# Allegro board buddy_lay_rev1.brd (continued)
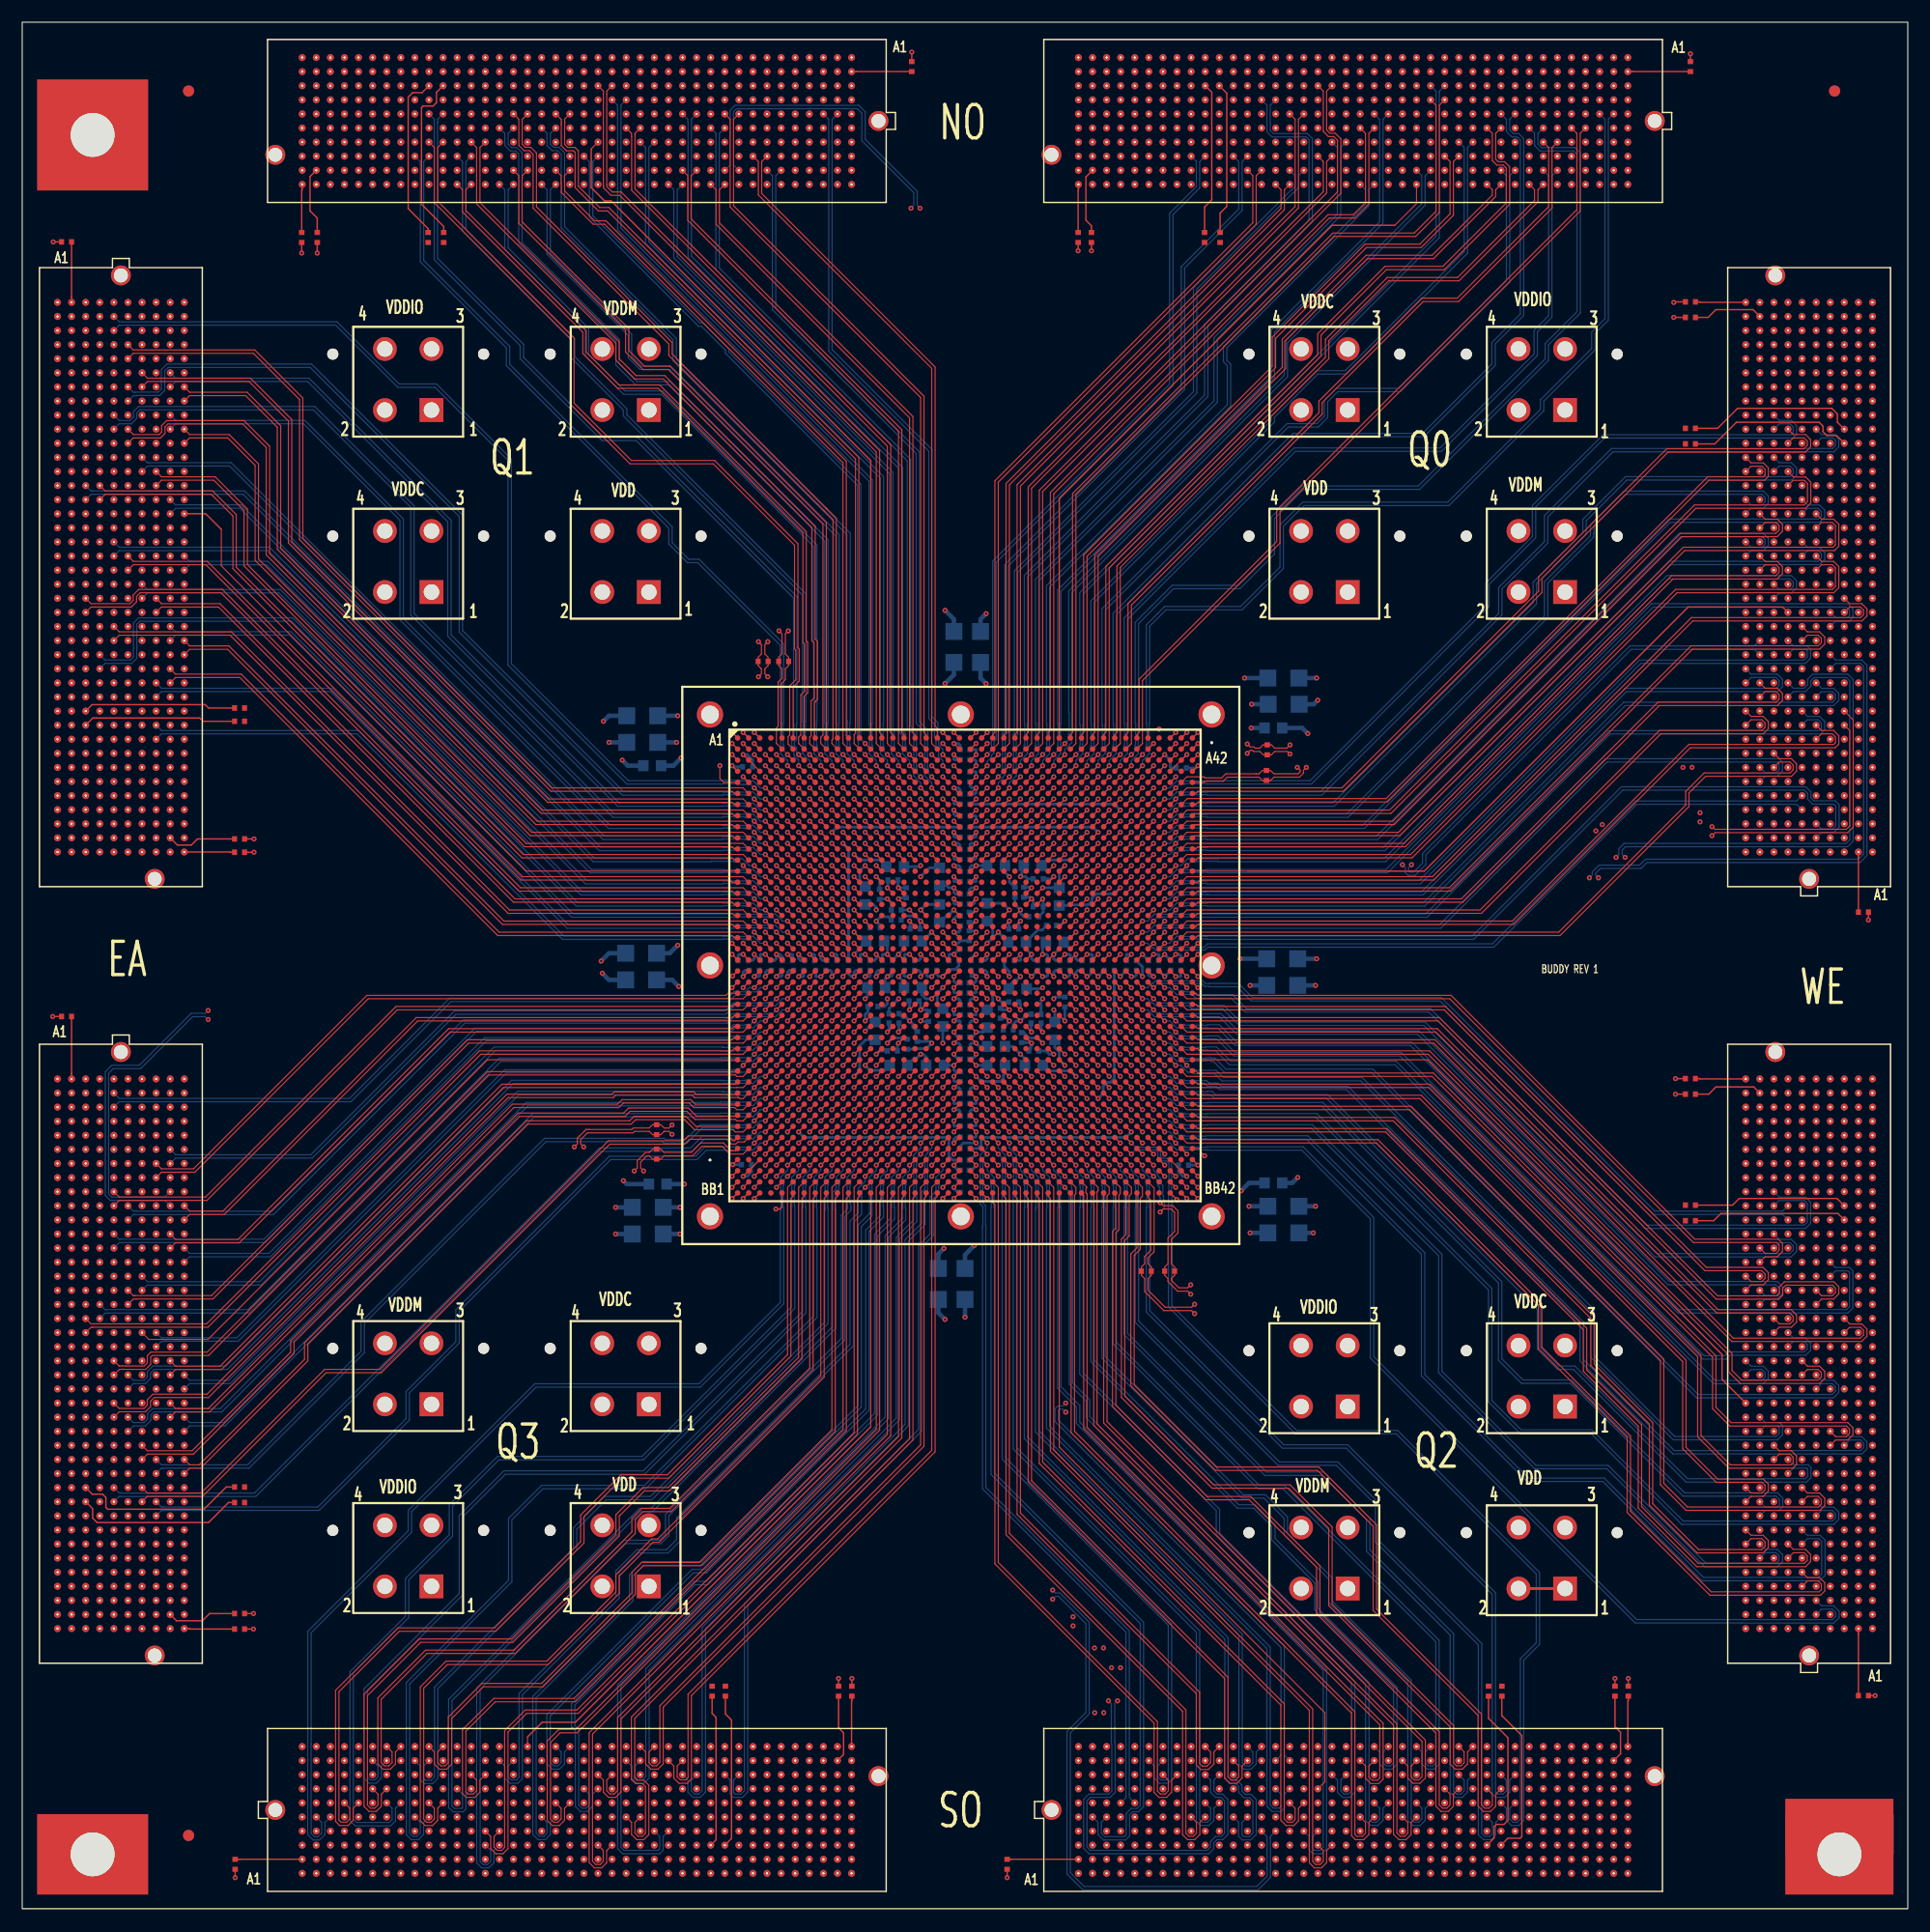
[diagram p0: board, top side]
## Design rules (mm) (continued)
net group DP339: nets EA_HS_M2C_N0 EA_HS_M2C_P0
net group DP340: nets EA_HS_M2C_N1 EA_HS_M2C_P1
net group DP341: nets EA_HS_M2C_N2 EA_HS_M2C_P2
net group DP342: nets EA_HS_M2C_N3 EA_HS_M2C_P3
net group DP343: nets EA_HS_M2C_N4 EA_HS_M2C_P4
net group DP344: nets EA_HS_M2C_N5 EA_HS_M2C_P5
net group DP345: nets EA_HS_M2C_N6 EA_HS_M2C_P6
net group DP346: nets EA_HS_M2C_N7 EA_HS_M2C_P7
net group DP347: nets EA_HS_M2C_N8 EA_HS_M2C_P8
net group DP348: nets EA_HS_M2C_N9 EA_HS_M2C_P9
net group DP349: nets EA_N0 EA_P0
net group DP350: nets EA_N1 EA_P1
net group DP351: nets EA_N2 EA_P2
net group DP352: nets EA_N3 EA_P3
net group DP353: nets EA_N4 EA_P4
net group DP354: nets EA_N5 EA_P5
net group DP355: nets EA_N6 EA_P6
net group DP356: nets EA_N7 EA_P7
net group DP357: nets EA_N8 EA_P8
net group DP358: nets EA_N9 EA_P9
net group DP359: nets EA_N10 EA_P10
net group DP360: nets EA_N11 EA_P11
net group DP361: nets EA_N12 EA_P12
net group DP362: nets EA_N13 EA_P13
net group DP363: nets EA_N14 EA_P14
net group DP364: nets EA_N15 EA_P15
net group DP365: nets EA_N16 EA_P16
net group DP366: nets EA_N17 EA_P17
net group DP367: nets EA_N18 EA_P18
net group DP368: nets EA_N19 EA_P19
net group DP369: nets EA_N20 EA_P20
net group DP370: nets EA_N21 EA_P21
net group DP371: nets EA_N22 EA_P22
net group DP372: nets EA_N23 EA_P23
net group DP373: nets EA_N24 EA_P24
net group DP374: nets EA_N25 EA_P25
net group DP375: nets EA_N26 EA_P26
net group DP376: nets EA_N27 EA_P27
net group DP377: nets EA_N28 EA_P28
net group DP379: nets EA_N30 EA_P30
net group DP380: nets EA_N31 EA_P31
net group DP381: nets EA_N32 EA_P32
net group DP382: nets EA_N33 EA_P33
net group DP383: nets EA_N34 EA_P34
net group DP384: nets EA_N35 EA_P35
net group DP385: nets EA_N36 EA_P36
net group DP386: nets EA_N37 EA_P37
net group DP387: nets EA_N38 EA_P38
net group DP388: nets EA_N39 EA_P39
net group DP389: nets EA_N40 EA_P40
net group DP390: nets EA_N41 EA_P41
net group DP391: nets EA_N42 EA_P42
net group DP392: nets EA_N43 EA_P43
net group DP393: nets EA_N44 EA_P44
net group DP394: nets EA_N45 EA_P45
net group DP395: nets EA_N46 EA_P46
net group DP396: nets EA_N47 EA_P47
net group DP397: nets EA_N48 EA_P48
net group DP398: nets EA_N49 EA_P49
net group DP399: nets EA_N50 EA_P50
net group DP400: nets EA_N51 EA_P51
net group DP401: nets EA_N52 EA_P52
net group DP402: nets EA_N53 EA_P53
net group DP403: nets EA_N54 EA_P54
net group DP404: nets EA_N55 EA_P55
net group DP405: nets EA_N56 EA_P56
net group DP406: nets EA_N57 EA_P57
net group DP407: nets EA_N58 EA_P58
net group DP408: nets EA_N59 EA_P59
net group DP409: nets EA_N60 EA_P60
net group DP410: nets EA_N61 EA_P61
net group DP411: nets EA_N62 EA_P62
net group DP412: nets EA_N63 EA_P63
net group DP413: nets EA_N64 EA_P64
net group DP414: nets EA_N65 EA_P65
net group DP415: nets EA_N66 EA_P66
net group DP416: nets EA_N67 EA_P67
net group DP417: nets EA_N68 EA_P68
net group DP418: nets EA_N69 EA_P69
net group DP419: nets EA_N70 EA_P70
net group DP420: nets EA_N71 EA_P71
net group DP421: nets EA_N72 EA_P72
net group DP422: nets EA_N73 EA_P73
net group DP423: nets EA_N74 EA_P74
net group DP424: nets EA_N75 EA_P75
net group DP425: nets EA_N76 EA_P76
net group DP426: nets EA_N77 EA_P77
net group DP427: nets EA_N78 EA_P78
net group DP428: nets EA_N79 EA_P79
net group DP429: nets EA_N80 EA_P80
net group DP430: nets EA_N81 EA_P81
net group DP431: nets EA_N82 EA_P82
net group DP432: nets EA_N83 EA_P83
net group DP433: nets EA_N84 EA_P84
net group DP434: nets EA_N85 EA_P85
net group DP435: nets EA_N86 EA_P86
net group DP436: nets EA_N87 EA_P87
net group DP437: nets EA_N88 EA_P88
net group DP438: nets EA_N89 EA_P89
net group DP439: nets EA_N90 EA_P90
net group DP440: nets EA_N91 EA_P91
net group DP441: nets EA_N92 EA_P92
net group DP442: nets EA_N93 EA_P93
net group DP443: nets EA_N94 EA_P94
net group DP444: nets EA_N95 EA_P95
net group DP445: nets EA_N96 EA_P96
net group DP446: nets EA_N97 EA_P97
net group DP448: nets EA_N99 EA_P99
net group DP449: nets EA_N100 EA_P100
net group DP450: nets EA_N101 EA_P101
net group DP451: nets EA_N102 EA_P102
net group DP452: nets EA_N103 EA_P103
net group DP453: nets EA_N104 EA_P104
net group DP454: nets EA_N105 EA_P105
net group DP455: nets EA_N106 EA_P106
net group DP456: nets EA_N107 EA_P107
net group DP457: nets EA_N108 EA_P108
net group DP458: nets EA_N109 EA_P109
net group DP459: nets EA_N110 EA_P110
net group DP460: nets EA_N111 EA_P111
net group DP461: nets EA_N112 EA_P112
net group DP462: nets EA_N113 EA_P113
net group DP463: nets EA_N114 EA_P114
net group DP464: nets EA_N115 EA_P115
net group DP465: nets EA_N116 EA_P116
net group DP466: nets EA_N117 EA_P117
net group DP467: nets EA_N118 EA_P118
net group DP468: nets EA_N119 EA_P119
net group DP469: nets EA_N120 EA_P120
net group DP470: nets EA_N121 EA_P121
net group DP471: nets EA_N122 EA_P122
net group DP472: nets EA_N123 EA_P123
net group DP473: nets EA_N124 EA_P124
net group DP474: nets EA_N125 EA_P125
net group DP475: nets EA_N126 EA_P126
net group DP476: nets EA_N127 EA_P127
net group DP477: nets HS_CLK_N0_EA HS_CLK_P0_EA
net group DP478: nets HS_CLK_N0_EA1 HS_CLK_P0_EA1
net group DP479: nets HS_CLK_N0_EA2 HS_CLK_P0_EA2
net group DP480: nets HS_CLK_N0_EA3 HS_CLK_P0_EA3
net group DP481: nets HS_CLK_N0_EA4 HS_CLK_P0_EA4
net group DP482: nets HS_CLK_N0_EA5 HS_CLK_P0_EA5
net group DP483: nets HS_CLK_N0_EA6 HS_CLK_P0_EA6
net group DP484: nets HS_CLK_N0_EA7 HS_CLK_P0_EA7
net group DP485: nets HS_CLK_N1_EA HS_CLK_P1_EA
net group DP486: nets HS_CLK_N1_EA1 HS_CLK_P1_EA1
net group DP487: nets HS_CLK_N1_EA2 HS_CLK_P1_EA2
net group DP488: nets HS_CLK_N1_EA3 HS_CLK_P1_EA3
net group DP489: nets HS_CLK_N1_EA4 HS_CLK_P1_EA4
net group DP490: nets HS_CLK_N1_EA5 HS_CLK_P1_EA5
net group DP491: nets HS_CLK_N1_EA6 HS_CLK_P1_EA6
net group DP492: nets HS_CLK_N1_EA7 HS_CLK_P1_EA7
net group DP493: nets HS_C2M_N0_EA1 HS_C2M_P0_EA1
net group DP494: nets HS_C2M_N0_EA3 HS_C2M_P0_EA3
net group DP495: nets HS_C2M_N0_EA4 HS_C2M_P0_EA4
net group DP496: nets HS_C2M_N0_EA6 HS_C2M_P0_EA6
net group DP497: nets HS_C2M_N1_EA1 HS_C2M_P1_EA1
net group DP498: nets HS_C2M_N1_EA3 HS_C2M_P1_EA3
net group DP499: nets HS_C2M_N1_EA4 HS_C2M_P1_EA4
net group DP500: nets HS_C2M_N1_EA6 HS_C2M_P1_EA6
net group DP501: nets HS_C2M_N2_EA1 HS_C2M_P2_EA1
net group DP502: nets HS_C2M_N2_EA3 HS_C2M_P2_EA3
net group DP503: nets HS_C2M_N2_EA4 HS_C2M_P2_EA4
net group DP504: nets HS_C2M_N2_EA6 HS_C2M_P2_EA6
net group DP505: nets HS_C2M_N3_EA1 HS_C2M_P3_EA1
net group DP506: nets HS_C2M_N3_EA3 HS_C2M_P3_EA3
net group DP507: nets HS_C2M_N3_EA4 HS_C2M_P3_EA4
net group DP508: nets HS_C2M_N3_EA6 HS_C2M_P3_EA6
net group DP509: nets HS_C2M_N4_EA1 HS_C2M_P4_EA1
net group DP510: nets HS_C2M_N4_EA3 HS_C2M_P4_EA3
net group DP511: nets HS_C2M_N4_EA4 HS_C2M_P4_EA4
net group DP512: nets HS_C2M_N4_EA6 HS_C2M_P4_EA6
net group DP513: nets HS_C2M_N5_EA1 HS_C2M_P5_EA1
net group DP514: nets HS_C2M_N5_EA3 HS_C2M_P5_EA3
net group DP515: nets HS_C2M_N5_EA4 HS_C2M_P5_EA4
net group DP516: nets HS_C2M_N5_EA6 HS_C2M_P5_EA6
net group DP517: nets HS_C2M_N6_EA1 HS_C2M_P6_EA1
net group DP518: nets HS_C2M_N6_EA3 HS_C2M_P6_EA3
net group DP519: nets HS_C2M_N6_EA4 HS_C2M_P6_EA4
net group DP520: nets HS_C2M_N6_EA6 HS_C2M_P6_EA6
net group DP521: nets HS_C2M_N7_EA1 HS_C2M_P7_EA1
net group DP522: nets HS_C2M_N7_EA3 HS_C2M_P7_EA3
net group DP523: nets HS_C2M_N7_EA4 HS_C2M_P7_EA4
net group DP524: nets HS_C2M_N7_EA6 HS_C2M_P7_EA6
net group DP525: nets HS_C2M_N8_EA1 HS_C2M_P8_EA1
net group DP526: nets HS_C2M_N8_EA3 HS_C2M_P8_EA3
net group DP527: nets HS_C2M_N8_EA4 HS_C2M_P8_EA4
net group DP528: nets HS_C2M_N8_EA6 HS_C2M_P8_EA6
net group DP529: nets HS_C2M_N9_EA1 HS_C2M_P9_EA1
net group DP530: nets HS_C2M_N9_EA3 HS_C2M_P9_EA3
net group DP531: nets HS_C2M_N9_EA4 HS_C2M_P9_EA4
net group DP532: nets HS_C2M_N9_EA6 HS_C2M_P9_EA6
net group DP533: nets HS_M2C_N0_EA1 HS_M2C_P0_EA1
net group DP534: nets HS_M2C_N0_EA3 HS_M2C_P0_EA3
net group DP535: nets HS_M2C_N0_EA4 HS_M2C_P0_EA4
net group DP536: nets HS_M2C_N0_EA6 HS_M2C_P0_EA6
net group DP537: nets HS_M2C_N1_EA1 HS_M2C_P1_EA1
net group DP538: nets HS_M2C_N1_EA3 HS_M2C_P1_EA3
net group DP539: nets HS_M2C_N1_EA4 HS_M2C_P1_EA4
net group DP540: nets HS_M2C_N1_EA6 HS_M2C_P1_EA6
net group DP541: nets HS_M2C_N2_EA1 HS_M2C_P2_EA1
net group DP542: nets HS_M2C_N2_EA3 HS_M2C_P2_EA3
net group DP543: nets HS_M2C_N2_EA4 HS_M2C_P2_EA4
net group DP544: nets HS_M2C_N2_EA6 HS_M2C_P2_EA6
net group DP545: nets HS_M2C_N3_EA1 HS_M2C_P3_EA1
net group DP546: nets HS_M2C_N3_EA3 HS_M2C_P3_EA3
net group DP547: nets HS_M2C_N3_EA4 HS_M2C_P3_EA4
net group DP548: nets HS_M2C_N3_EA6 HS_M2C_P3_EA6
net group DP549: nets HS_M2C_N4_EA1 HS_M2C_P4_EA1
net group DP550: nets HS_M2C_N4_EA3 HS_M2C_P4_EA3
net group DP551: nets HS_M2C_N4_EA4 HS_M2C_P4_EA4
net group DP552: nets HS_M2C_N4_EA6 HS_M2C_P4_EA6
net group DP553: nets HS_M2C_N5_EA1 HS_M2C_P5_EA1
net group DP554: nets HS_M2C_N5_EA3 HS_M2C_P5_EA3
net group DP555: nets HS_M2C_N5_EA4 HS_M2C_P5_EA4
net group DP556: nets HS_M2C_N5_EA6 HS_M2C_P5_EA6
net group DP557: nets HS_M2C_N6_EA1 HS_M2C_P6_EA1
net group DP558: nets HS_M2C_N6_EA3 HS_M2C_P6_EA3
net group DP559: nets HS_M2C_N6_EA4 HS_M2C_P6_EA4
net group DP560: nets HS_M2C_N6_EA6 HS_M2C_P6_EA6
net group DP561: nets HS_M2C_N7_EA1 HS_M2C_P7_EA1
net group DP562: nets HS_M2C_N7_EA3 HS_M2C_P7_EA3
net group DP563: nets HS_M2C_N7_EA4 HS_M2C_P7_EA4
net group DP564: nets HS_M2C_N7_EA6 HS_M2C_P7_EA6
net group DP565: nets HS_M2C_N8_EA1 HS_M2C_P8_EA1
net group DP566: nets HS_M2C_N8_EA3 HS_M2C_P8_EA3
net group DP567: nets HS_M2C_N8_EA4 HS_M2C_P8_EA4
net group DP568: nets HS_M2C_N8_EA6 HS_M2C_P8_EA6
net group DP569: nets HS_M2C_N9_EA1 HS_M2C_P9_EA1
net group DP570: nets HS_M2C_N9_EA3 HS_M2C_P9_EA3
net group DP571: nets HS_M2C_N9_EA4 HS_M2C_P9_EA4
net group DP572: nets HS_M2C_N9_EA6 HS_M2C_P9_EA6
net group DP573: nets NO_HS_C2M_N0 NO_HS_C2M_P0
net group DP574: nets NO_HS_M2C_N0 NO_HS_M2C_P0
net group DP575: nets NO_N0 NO_P0
net group DP576: nets NO_N1 NO_P1
net group DP577: nets NO_N2 NO_P2
net group DP578: nets NO_N3 NO_P3
net group DP579: nets NO_N4 NO_P4
net group DP580: nets NO_N5 NO_P5
net group DP581: nets NO_N6 NO_P6
net group DP582: nets NO_N7 NO_P7
net group DP583: nets NO_N8 NO_P8
net group DP584: nets NO_N9 NO_P9
net group DP585: nets NO_N10 NO_P10
net group DP586: nets NO_N11 NO_P11
net group DP587: nets NO_N12 NO_P12
net group DP588: nets NO_N13 NO_P13
net group DP589: nets NO_N14 NO_P14
net group DP590: nets NO_N15 NO_P15
net group DP591: nets NO_N16 NO_P16
net group DP592: nets NO_N17 NO_P17
net group DP593: nets NO_N18 NO_P18
net group DP594: nets NO_N19 NO_P19
net group DP595: nets NO_N20 NO_P20
net group DP596: nets NO_N21 NO_P21
net group DP597: nets NO_N22 NO_P22
net group DP598: nets NO_N23 NO_P23
net group DP599: nets NO_N24 NO_P24
net group DP600: nets NO_N25 NO_P25
net group DP601: nets NO_N26 NO_P26
net group DP602: nets NO_N27 NO_P27
net group DP603: nets NO_N28 NO_P28
net group DP605: nets NO_N30 NO_P30
net group DP606: nets NO_N31 NO_P31
net group DP607: nets NO_N32 NO_P32
net group DP608: nets NO_N33 NO_P33
net group DP609: nets NO_N34 NO_P34
net group DP610: nets NO_N35 NO_P35
net group DP611: nets NO_N36 NO_P36
net group DP612: nets NO_N37 NO_P37
net group DP613: nets NO_N38 NO_P38
net group DP614: nets NO_N39 NO_P39
net group DP615: nets NO_N40 NO_P40
net group DP616: nets NO_N41 NO_P41
net group DP617: nets NO_N42 NO_P42
net group DP618: nets NO_N43 NO_P43
net group DP619: nets NO_N44 NO_P44
net group DP620: nets NO_N45 NO_P45
net group DP621: nets NO_N46 NO_P46
net group DP622: nets NO_N47 NO_P47
net group DP623: nets NO_N48 NO_P48
net group DP624: nets NO_N49 NO_P49
net group DP625: nets NO_N50 NO_P50
net group DP626: nets NO_N51 NO_P51
net group DP627: nets NO_N52 NO_P52
net group DP628: nets NO_N53 NO_P53
net group DP629: nets NO_N54 NO_P54
net group DP630: nets NO_N55 NO_P55
net group DP631: nets NO_N56 NO_P56
net group DP632: nets NO_N57 NO_P57
net group DP633: nets NO_N58 NO_P58
net group DP634: nets NO_N59 NO_P59
net group DP635: nets NO_N60 NO_P60
net group DP636: nets NO_N61 NO_P61
net group DP637: nets NO_N62 NO_P62
net group DP638: nets NO_N63 NO_P63
net group DP639: nets NO_N64 NO_P64
net group DP640: nets NO_N65 NO_P65
net group DP641: nets NO_N66 NO_P66
net group DP642: nets NO_N67 NO_P67
net group DP643: nets NO_N68 NO_P68
net group DP644: nets NO_N69 NO_P69
net group DP645: nets NO_N70 NO_P70
net group DP646: nets NO_N71 NO_P71
net group DP647: nets NO_N72 NO_P72
net group DP648: nets NO_N73 NO_P73
net group DP649: nets NO_N74 NO_P74
net group DP650: nets NO_N75 NO_P75
net group DP651: nets NO_N76 NO_P76
net group DP652: nets NO_N77 NO_P77
net group DP653: nets NO_N78 NO_P78
net group DP654: nets NO_N79 NO_P79
net group DP655: nets NO_N80 NO_P80
net group DP656: nets NO_N81 NO_P81
net group DP657: nets NO_N82 NO_P82
net group DP658: nets NO_N83 NO_P83
net group DP659: nets NO_N84 NO_P84
net group DP660: nets NO_N85 NO_P85
net group DP661: nets NO_N86 NO_P86
net group DP662: nets NO_N87 NO_P87
net group DP663: nets NO_N88 NO_P88
net group DP664: nets NO_N89 NO_P89
net group DP665: nets NO_N90 NO_P90
net group DP666: nets NO_N91 NO_P91
net group DP667: nets NO_N92 NO_P92
net group DP668: nets NO_N93 NO_P93
net group DP669: nets NO_N94 NO_P94
net group DP670: nets NO_N95 NO_P95
net group DP671: nets NO_N96 NO_P96
net group DP672: nets NO_N97 NO_P97
net group DP674: nets NO_N99 NO_P99
net group DP675: nets NO_N100 NO_P100
net group DP676: nets NO_N101 NO_P101
net group DP677: nets NO_N102 NO_P102
net group DP678: nets NO_N103 NO_P103
net group DP679: nets NO_N104 NO_P104
net group DP680: nets NO_N105 NO_P105
net group DP681: nets NO_N106 NO_P106
net group DP682: nets NO_N107 NO_P107
net group DP683: nets NO_N108 NO_P108
net group DP684: nets NO_N109 NO_P109
net group DP685: nets NO_N110 NO_P110
net group DP686: nets NO_N111 NO_P111
net group DP687: nets NO_N112 NO_P112
net group DP688: nets NO_N113 NO_P113
net group DP689: nets NO_N114 NO_P114
net group DP690: nets NO_N115 NO_P115
net group DP691: nets NO_N116 NO_P116
net group DP692: nets NO_N117 NO_P117
net group DP693: nets NO_N118 NO_P118
net group DP694: nets NO_N119 NO_P119
net group DP695: nets NO_N120 NO_P120
net group DP696: nets NO_N121 NO_P121
net group DP697: nets NO_N122 NO_P122
net group DP698: nets NO_N123 NO_P123
net group DP699: nets NO_N124 NO_P124
net group DP700: nets NO_N125 NO_P125
net group DP701: nets NO_N126 NO_P126
net group DP702: nets NO_N127 NO_P127
net group DP703: nets SO_HS_C2M_N0 SO_HS_C2M_P0
net group DP704: nets SO_HS_C2M_N1 SO_HS_C2M_P1
net group DP705: nets SO_HS_C2M_N2 SO_HS_C2M_P2
net group DP706: nets SO_HS_C2M_N3 SO_HS_C2M_P3
net group DP707: nets SO_HS_C2M_N4 SO_HS_C2M_P4
net group DP708: nets SO_HS_C2M_N5 SO_HS_C2M_P5
net group DP709: nets SO_HS_C2M_N6 SO_HS_C2M_P6
net group DP710: nets SO_HS_C2M_N7 SO_HS_C2M_P7
net group DP711: nets SO_HS_C2M_N8 SO_HS_C2M_P8
net group DP712: nets SO_HS_C2M_N9 SO_HS_C2M_P9
net group DP713: nets SO_HS_M2C_N0 SO_HS_M2C_P0
net group DP714: nets SO_HS_M2C_N1 SO_HS_M2C_P1
net group DP715: nets SO_HS_M2C_N2 SO_HS_M2C_P2
net group DP716: nets SO_HS_M2C_N3 SO_HS_M2C_P3
net group DP717: nets SO_HS_M2C_N4 SO_HS_M2C_P4
net group DP718: nets SO_HS_M2C_N5 SO_HS_M2C_P5
net group DP719: nets SO_HS_M2C_N6 SO_HS_M2C_P6
net group DP720: nets SO_HS_M2C_N7 SO_HS_M2C_P7
net group DP721: nets SO_HS_M2C_N8 SO_HS_M2C_P8
net group DP722: nets SO_HS_M2C_N9 SO_HS_M2C_P9
net group DP723: nets WE_HS_C2M_N0 WE_HS_C2M_P0
net group DP724: nets WE_HS_C2M_N1 WE_HS_C2M_P1
net group DP725: nets WE_HS_C2M_N2 WE_HS_C2M_P2
net group DP726: nets WE_HS_C2M_N3 WE_HS_C2M_P3
net group DP727: nets WE_HS_C2M_N4 WE_HS_C2M_P4
net group DP728: nets WE_HS_C2M_N5 WE_HS_C2M_P5
net group DP729: nets WE_HS_C2M_N6 WE_HS_C2M_P6
net group DP730: nets WE_HS_C2M_N7 WE_HS_C2M_P7
net group DP731: nets WE_HS_C2M_N8 WE_HS_C2M_P8
net group DP732: nets WE_HS_C2M_N9 WE_HS_C2M_P9
net group DP733: nets WE_HS_M2C_N0 WE_HS_M2C_P0
net group DP734: nets WE_HS_M2C_N1 WE_HS_M2C_P1
net group DP735: nets WE_HS_M2C_N2 WE_HS_M2C_P2
net group DP736: nets WE_HS_M2C_N3 WE_HS_M2C_P3
net group DP737: nets WE_HS_M2C_N4 WE_HS_M2C_P4
net group DP738: nets WE_HS_M2C_N5 WE_HS_M2C_P5
net group DP739: nets WE_HS_M2C_N6 WE_HS_M2C_P6
net group DP740: nets WE_HS_M2C_N7 WE_HS_M2C_P7
net group DP741: nets WE_HS_M2C_N8 WE_HS_M2C_P8
net group DP742: nets WE_HS_M2C_N9 WE_HS_M2C_P9

## Placement (name value [footprint] x y rotation side)
C1  0.1 uF  [0402]  89 85.45 180 bottom
C2  0.1 uF  [0402]  85.01 98.47 180 bottom
C3  0.1 uF  [0402]  102 85.45 180 bottom
C4  0.1 uF  [0402]  86 85.45 0 bottom
C5  0.1 uF  [0402]  85.39 89.34 270 bottom
C6  0.1 uF  [0402]  94 85.45 180 bottom
C7  0.1 uF  [0402]  85.45 93.01 270 bottom
C8  0.1 uF  [0402]  85.45 102 270 bottom
C9  10 uF  [0603]  89.7 87.1 0 bottom
C10  10 uF  [0603]  87.8 94 0 bottom
C11  220 uF  [1206]  113.6 85.6 0 bottom
C12  0.1 uF  [0402]  76 85.45 0 bottom
C13  0.1 uF  [0402]  85.01 86.47 0 bottom
C14  0.1 uF  [0402]  69 85.45 0 bottom
C15  0.1 uF  [0402]  84 85.45 0 bottom
C16  0.1 uF  [0402]  84.57 93.01 270 bottom
C17  0.1 uF  [0402]  67 85.45 180 bottom
C18  0.1 uF  [0402]  73 85.45 0 bottom
C19  0.1 uF  [0402]  80 85.45 0 bottom
C20  10 uF  [0603]  80.3 87.2 180 bottom
C21  10 uF  [0603]  82.7 89.7 90 bottom
C22  220 uF  [1206]  55.8 86.1 180 bottom
C23  0.1 uF  [0402]  89.4 81.7 0 bottom
C24  0.1 uF  [0402]  102 84.55 0 bottom
C25  0.1 uF  [0402]  85.4 67 270 bottom
C26  0.1 uF  [0402]  85.45 71 270 bottom
C27  0.1 uF  [0402]  86 84.55 0 bottom
C28  0.1 uF  [0402]  85.39 82.98 270 bottom
C29  0.1 uF  [0402]  94 84.55 180 bottom
C30  0.1 uF  [0402]  85.45 79 270 bottom
C31  10 uF  [0603]  87.8 76 0 bottom
C32  10 uF  [0603]  89.75 82.9 0 bottom
C33  220 uF  [1206]  113.6 83.2 0 bottom
C34  0.1 uF  [0402]  84.57 70.98 270 bottom
C35  0.1 uF  [0402]  84.57 82.98 270 bottom
C36  0.1 uF  [0402]  76 84.55 180 bottom
C37  0.1 uF  [0402]  68 84.55 180 bottom
C38  0.1 uF  [0402]  72 84.55 0 bottom
C39  0.1 uF  [0402]  84.57 74.98 270 bottom
C40  0.1 uF  [0402]  80 84.55 0 bottom
C41  0.1 uF  [0402]  84.57 78.98 270 bottom
C42  10 uF  [0603]  82.3 76 180 bottom
C43  10 uF  [0603]  80.3 83 180 bottom
C44  220 uF  [1206]  82.6 56.3 270 bottom
C45  0.1 uF  [0402]  85.45 104 270 bottom
C46  0.1 uF  [0402]  85.45 95 270 bottom
C47  0.1 uF  [0402]  85.4 91 270 bottom
C48  0.1 uF  [0402]  85.39 87.68 270 bottom
C49  0.1 uF  [0402]  92 85.45 180 bottom
C50  0.1 uF  [0402]  100 85.45 0 bottom
C51  0.1 uF  [0402]  96 85.45 180 bottom
C52  0.1 uF  [0402]  104 85.45 180 bottom
C53  10 uF  [0603]  93.1 87.1 0 bottom
C54  10 uF  [0603]  87 89.8 90 bottom
C55  220 uF  [1206]  86.4 113.7 90 bottom
C56  0.1 uF  [0402]  84.57 104 90 bottom
C57  0.1 uF  [0402]  71 85.45 0 bottom
C58  0.1 uF  [0402]  84.57 100 90 bottom
C59  0.1 uF  [0402]  78 85.45 0 bottom
C60  0.1 uF  [0402]  84.55 95 270 bottom
C61  0.1 uF  [0402]  84.57 90.98 270 bottom
C62  0.1 uF  [0402]  65 85.45 180 bottom
C63  0.1 uF  [0402]  84.57 89.01 90 bottom
C64  10 uF  [0603]  76.9 87.2 180 bottom
C65  10 uF  [0603]  82.7 93 90 bottom
C66  220 uF  [1206]  84 113.7 90 bottom
C67  0.1 uF  [0402]  85.01 69.52 180 bottom
C68  0.1 uF  [0402]  85.45 73.01 270 bottom
C69  0.1 uF  [0402]  85.45 77.01 270 bottom
C70  0.1 uF  [0402]  85.45 81.01 270 bottom
C71  0.1 uF  [0402]  104 84.55 180 bottom
C72  0.1 uF  [0402]  100 84.55 180 bottom
C73  0.1 uF  [0402]  96 84.55 180 bottom
C74  0.1 uF  [0402]  92 84.55 180 bottom
C75  10 uF  [0603]  87.8 77.7 0 bottom
C76  10 uF  [0603]  87 80.2 270 bottom
C77  220 uF  [1206]  85 56.3 270 bottom
C78  0.1 uF  [0402]  84.57 73.01 270 bottom
C79  0.1 uF  [0402]  78 84.55 180 bottom
C80  0.1 uF  [0402]  82 84.55 0 bottom
C81  0.1 uF  [0402]  84.57 81.01 270 bottom
C82  0.1 uF  [0402]  84.57 77.01 270 bottom
C83  0.1 uF  [0402]  84.55 65 270 bottom
C84  0.1 uF  [0402]  66 84.55 180 bottom
C85  0.1 uF  [0402]  70 84.55 180 bottom
C86  10 uF  [0603]  83 80.3 270 bottom
C87  10 uF  [0603]  77 83 180 bottom
C88  220 uF  [1206]  55.8 83.7 180 bottom
C89  0.1 uF  [0402]  85.45 97.01 270 bottom
C90  0.1 uF  [0402]  90.3 91.6 90 bottom
C91  0.1 uF  [0402]  91.6 90.3 0 bottom
C92  0.1 uF  [0402]  91.6 92.8 180 bottom
C93  0.1 uF  [0402]  91.2 89.4 0 bottom
C94  0.1 uF  [0402]  85.45 100 90 bottom
C95  0.1 uF  [0402]  89.5 91.6 90 bottom
C96  0.1 uF  [0402]  89.4 88.3 0 bottom
C97  10 uF  [0603]  93.5 91.2 270 bottom
C98  10 uF  [0603]  91.1 94 180 bottom
C99  220 uF  [1206]  113.7 110.9 0 bottom
C100  0.1 uF  [0402]  74.5 85 270 bottom
C101  0.1 uF  [0402]  78.8 90 180 bottom
C102  0.1 uF  [0402]  80.5 88.3 180 bottom
C103  0.1 uF  [0402]  77.3 91.4 270 bottom
C104  0.1 uF  [0402]  84.57 97.01 270 bottom
C105  0.1 uF  [0402]  78.8 89.1 180 bottom
C106  0.1 uF  [0402]  78.5 92.7 0 bottom
C107  0.1 uF  [0402]  79.7 91.55 90 bottom
C108  10 uF  [0603]  78.7 93.9 0 bottom
C109  10 uF  [0603]  76 91.3 270 bottom
C110  220 uF  [1206]  55.9 107.5 180 bottom
C111  0.1 uF  [0402]  91.4 79.8 0 bottom
C112  0.1 uF  [0402]  90.1 78.5 270 bottom
C113  0.1 uF  [0402]  91.2 77.3 180 bottom
C114  0.1 uF  [0402]  88.9 79.2 180 bottom
C115  0.1 uF  [0402]  85 68.5 180 bottom
C116  0.1 uF  [0402]  98 84.55 180 bottom
C117  0.1 uF  [0402]  91.4 80.6 0 bottom
C118  0.1 uF  [0402]  88.2 80.7 270 bottom
C119  10 uF  [0603]  93.1 79.1 90 bottom
C120  10 uF  [0603]  91.2 76 180 bottom
C121  220 uF  [1206]  113.7 60.9 0 bottom
C122  0.1 uF  [0402]  79.8 77.9 270 bottom
C123  0.1 uF  [0402]  81.7 80.4 270 bottom
C124  0.1 uF  [0402]  78.6 80.65 180 bottom
C125  0.1 uF  [0402]  78.6 79.8 180 bottom
C126  0.1 uF  [0402]  80.4 81.8 180 bottom
C127  0.1 uF  [0402]  80.7 78.6 270 bottom
C128  0.1 uF  [0402]  84.55 67 270 bottom
C129  0.1 uF  [0402]  78.45 77.3 0 bottom
C130  10 uF  [0603]  79 76 0 bottom
C131  10 uF  [0603]  76.9 79.1 90 bottom
C132  220 uF  [1206]  56.4 60.8 180 bottom
C133  0.1 uF  [0402]  104.5 102.8 180 bottom
C134  0.1 uF  [0402]  92.8 88.6 180 bottom
C135  10 uF  [0603]  112.8 106.4 0 bottom
C136  220 uF  [1206]  113.73 108.54 0 bottom
C137  0.1 uF  [0402]  65.4 102.9 0 bottom
C138  0.1 uF  [0402]  76.9 88.4 0 bottom
C139  10 uF  [0603]  56.8 103 180 bottom
C140  220 uF  [1206]  55.9 105.1 180 bottom
C141  0.1 uF  [0402]  94 81.7 90 bottom
C142  0.1 uF  [0402]  104.7 67 180 bottom
C143  10 uF  [0603]  112.8 65.4 0 bottom
C144  220 uF  [1206]  113.7 63.3 0 bottom
C145  0.1 uF  [0402]  65.3 67.05 0 bottom
C146  0.1 uF  [0402]  76.7 81.3 0 bottom
C147  10 uF  [0603]  57.3 65.3 180 bottom
C148  220 uF  [1206]  56.4 63.2 180 bottom
J1  J400-AV11  [VITA57_MEZZ]  50.01 161.1 0 top
J2  J400-AV11  [VITA57_MEZZ]  119.99 161.1 0 top
J3  J400-AV11  [VITA57_MEZZ]  161.1 119.99 270 top
J4  J400-AV11  [VITA57_MEZZ]  161.1 50.01 270 top
J5  J400-AV11  [VITA57_MEZZ]  119.99 8.9 180 top
J6  J400-AV11  [VITA57_MEZZ]  50.01 8.9 180 top
J7  J400-AV11  [VITA57_MEZZ]  8.9 50.01 90 top
J8  J400-AV11  [VITA57_MEZZ]  8.9 119.99 90 top
J9  ATX_12V_2x2  [MOLEX_0039299042]  34.8 137.6 0 top
J10  ATX_12V_2x2  [MOLEX_0039299042]  54.4 137.6 0 top
J11  ATX_12V_2x2  [MOLEX_0039299042]  34.8 121.2 0 top
J12  ATX_12V_2x2  [MOLEX_0039299042]  54.4 121.2 0 top
J13  ATX_12V_2x2  [MOLEX_0039299042]  117.4 137.6 0 top
J14  ATX_12V_2x2  [MOLEX_0039299042]  137 137.6 0 top
J15  ATX_12V_2x2  [MOLEX_0039299042]  117.4 121.2 0 top
J16  ATX_12V_2x2  [MOLEX_0039299042]  137 121.2 0 top
J17  ATX_12V_2x2  [MOLEX_0039299042]  34.8 48 0 top
J18  ATX_12V_2x2  [MOLEX_0039299042]  54.4 48 0 top
J19  ATX_12V_2x2  [MOLEX_0039299042]  34.8 31.6 0 top
J20  ATX_12V_2x2  [MOLEX_0039299042]  54.4 31.6 0 top
J21  ATX_12V_2x2  [MOLEX_0039299042]  117.4 47.8 0 top
J22  ATX_12V_2x2  [MOLEX_0039299042]  137 47.8 0 top
J23  ATX_12V_2x2  [MOLEX_0039299042]  117.4 31.4 0 top
J24  ATX_12V_2x2  [MOLEX_0039299042]  137 31.4 0 top
J25  BGA Socket  [IRONWOOD_BGASOCKET]  84.62 85 0 top
NOREF  -  [unnamed]  6.35 4.9 0 top
NOREF#2  -  [unnamed]  6.35 159.84 0 top
NOREF#3  -  [#2]  0 170 0 top
NOREF#4  -  [unnamed]  15 6.6 90 top
NOREF#5  -  [#2]  6.35 4.9 90 top
NOREF#6  -  [unnamed]  15 163.8 90 top
NOREF#7  -  [#2]  6.35 159.84 90 top
NOREF#8  -  [unnamed]  163.83 4.9 0 top
NOREF#9  -  [#2]  0 0 90 top
NOREF#10  -  [unnamed]  163.4 163.8 90 top
NOREF#11  -  [#2]  0 0 0 top
NOREF#12  -  [#2]  6.35 4.9 0 top
NOREF#13  -  [unnamed]  15 163.8 90 bottom
NOREF#14  -  [unnamed]  15 6.6 90 bottom
NOREF#15  -  [unnamed]  163.4 163.8 90 bottom
R88  0  [0402]  19.6 95.2 0 top
R90  0  [0402]  19.6 107 0 top
R93  100.0  [0402]  68.65 112.4 180 top
R94  100.0  [0402]  66.8 112.4 180 top
R95  100.0  [0402]  57.2 68 270 top
R96  100.0  [0402]  57.2 70.2 90 top
R97  100.0  [0402]  112.18 102.12 90 top
R98  100.0  [0402]  112.25 104.43 90 top
R99  100.0  [0402]  101.35 57.45 0 top
R100  100.0  [0402]  103.45 57.45 180 top
R101  0  [0402]  19.6 108.2 0 top
R102  10k  [0402]  4 150.2 180 top
R103  0  [0402]  19.6 96.4 0 top
R104  10k  [0402]  4 80.4 180 top
R105  0  [0402]  19.6 26.6 0 top
R106  0  [0402]  19.6 25.2 0 top
R107  0  [0402]  19.6 38 0 top
R108  0  [0402]  19.6 36.6 0 top
R109  10k  [0402]  80.2 166 90 top
R110  0  [0402]  26.6 150.6 270 top
R111  0  [0402]  25.2 150.6 270 top
R112  0  [0402]  38 150.6 270 top
R113  0  [0402]  36.6 150.6 270 top
R114  10k  [0402]  150.4 166 90 top
R115  0  [0402]  96.4 150.6 270 top
R116  0  [0402]  95.2 150.6 270 top
R117  0  [0402]  108 150.6 270 top
R118  0  [0402]  106.6 150.6 270 top
R119  10k  [0402]  19.2 4 270 top
R120  0  [0402]  73.6 19.6 90 top
R121  0  [0402]  74.8 19.6 90 top
R122  0  [0402]  62.2 19.6 90 top
R123  0  [0402]  63.4 19.6 90 top
R124  10k  [0402]  88.8 4 270 top
R125  0  [0402]  143.6 19.6 90 top
R126  0  [0402]  144.8 19.6 90 top
R127  0  [0402]  132.2 19.6 90 top
R128  0  [0402]  133.4 19.6 90 top
R129  10k  [0402]  166 89.8 0 top
R130  0  [0402]  150.4 143.4 180 top
R131  0  [0402]  150.4 144.8 180 top
R132  0  [0402]  150.4 132 180 top
R133  0  [0402]  150.4 133.4 180 top
R134  10k  [0402]  166 19.2 0 top
R135  0  [0402]  150.4 73.4 180 top
R136  0  [0402]  150.4 74.8 180 top
R137  0  [0402]  150.4 62 180 top
R138  0  [0402]  150.4 63.4 180 top
U1  E5  [BGA1764C100P42X42_4250X4250X277]  85 85 0 top

## Library data of the parts
C1-C148 = CAP NP
J1-J8 = VITA-57DOT1-SEAM-40_1
J9-J24 = ATX_12V_2x2
J25 = Socket
R88 R90 R93-R138 = RESISTOR/SM
U1 = E5_3
